# KiCad board virgo-keyboard-test.kicad_pcb
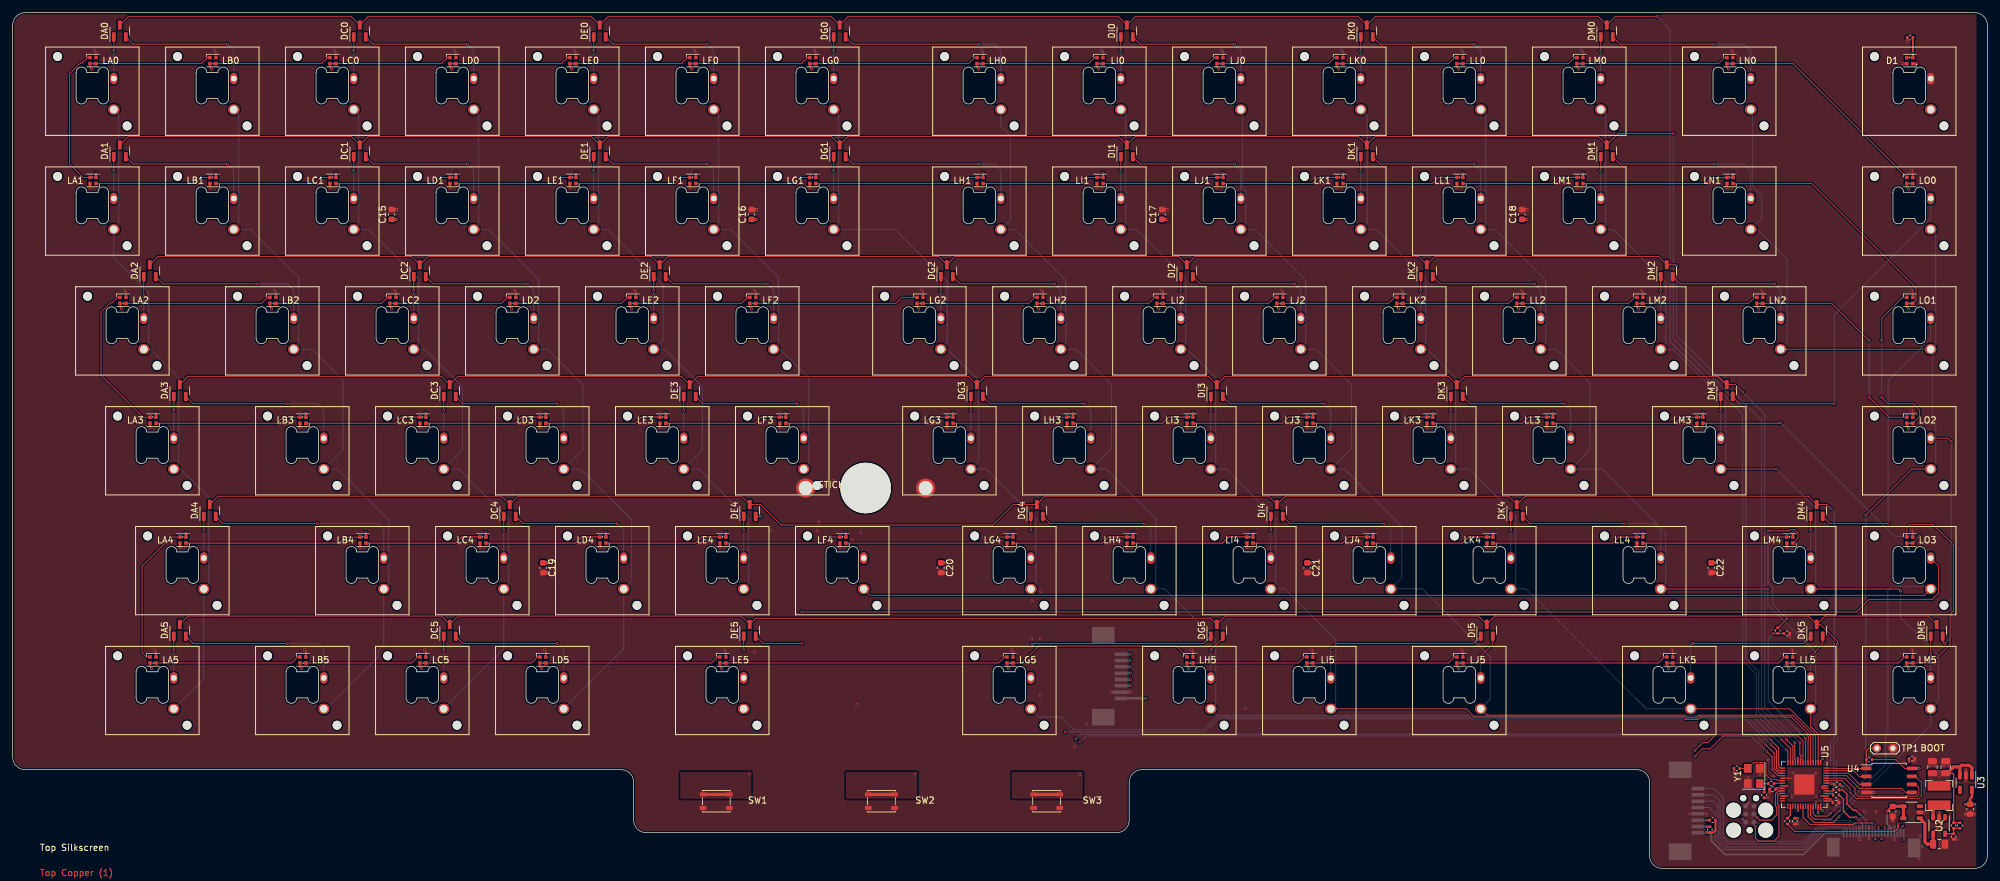
[diagram p0: board, top side]
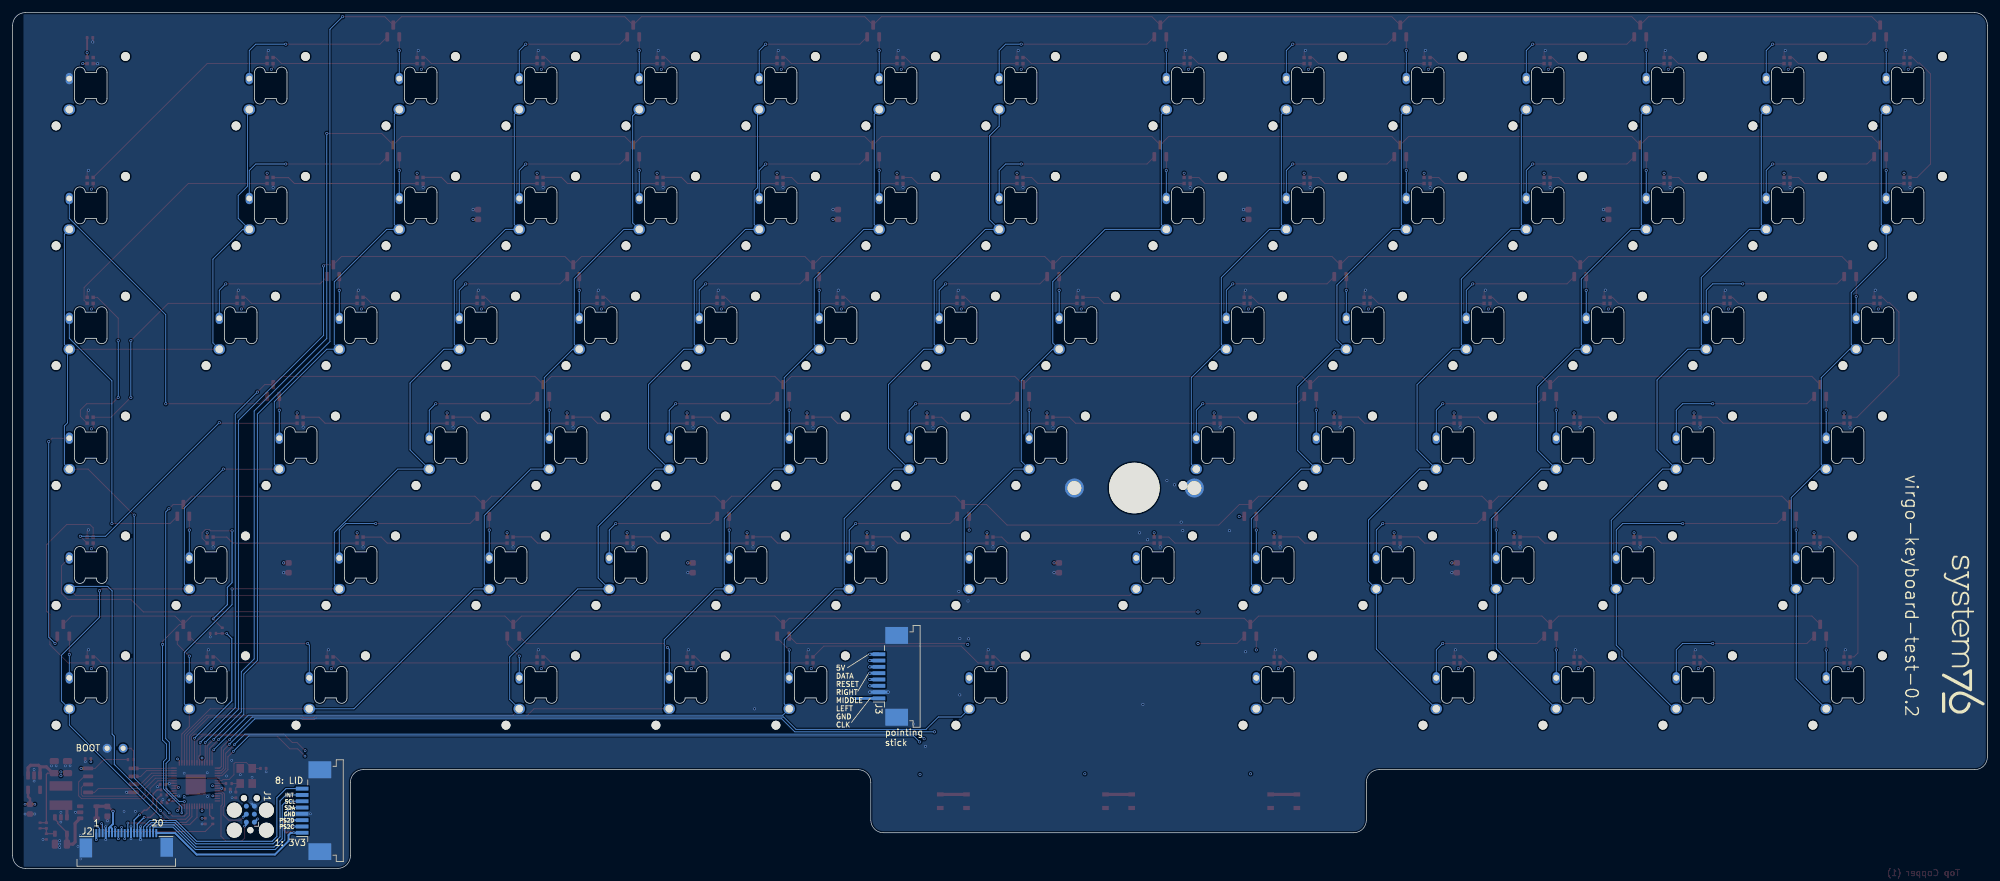
[diagram p1: board, bottom side, seen from below]

Outline 312.72 x 135.65 mm; copper layers: Top, In1.Cu (plane), In2.Cu (plane), Bottom. Coordinates in mm from the lower left corner of the outline.
Outline path: 0,133.65 arc(0.59,135.06) 2,135.65 310.72,135.65 arc(312.13,135.06) 312.72,133.65 312.72,2 arc(312.13,0.59) 310.72,0 261.23,0 arc(259.81,0.59) 259.23,2 259.23,13.65 arc(258.64,15.06) 257.23,15.65 178.82,15.65 arc(177.41,15.06) 176.82,13.65 176.82,7.65 arc(176.23,6.24) 174.82,5.65 100.35,5.65 arc(98.94,6.24) 98.35,7.65 98.35,13.65 arc(97.76,15.06) 96.35,15.65 2,15.65 arc(0.59,16.24) 0,17.65 0,133.65
Stack: Top 0.035mm / dielectric 0.1mm FR4 er 4.5 / In1.Cu 0.035mm / dielectric 0.44mm FR4 er 4.5 / In2.Cu 0.035mm / dielectric 0.1mm FR4 er 4.5 / Bottom 0.035mm

## Placement (name value [footprint] x y rotation side)
C1  1 uF  [C_0402_1005Metric]  300.78 17.39 0 top
C2  1 uF  [C_0402_1005Metric]  288.71 10.4 0 top
C3  1 uF  [C_0402_1005Metric]  282.23 7.49 270 top
C4  1 uF  [C_0402_1005Metric]  278.71 12.55 0 top
C5  1 uF  [C_0402_1005Metric]  288.91 13.3 180 top
C6  27 pF  [C_0402_1005Metric]  273.03 15.84 180 top
C7  27 pF  [C_0402_1005Metric]  277.38 11.64 270 top
C8  1 uF  [C_0402_1005Metric]  300.48 131.69 0 top
C9  2.2 uF  [C_0603_1608Metric]  297.73 9.04 270 top
C10  22 uF  [C_0805_2012Metric]  305.08 3.84 0 top
C11  330 pF  [C_0402_1005Metric]  307.38 6.79 270 top
C12  22 uF  [C_0805_2012Metric]  306.12 16.04 90 top
C13  22 uF  [C_0805_2012Metric]  304.03 16.04 90 top
C14  2.2 uF  [C_0603_1608Metric]  309.98 9.39 270 top
C15  2.2 uF  [C_0603_1608Metric]  60 103.65 90 top
C16  2.2 uF  [C_0603_1608Metric]  117 103.65 90 top
C17  2.2 uF  [C_0603_1608Metric]  182 103.65 90 top
C18  2.2 uF  [C_0603_1608Metric]  239 103.65 90 top
C19  2.2 uF  [C_0603_1608Metric]  84 47.65 270 top
C20  2.2 uF  [C_0603_1608Metric]  147 47.65 270 top
C21  2.2 uF  [C_0603_1608Metric]  205 47.65 270 top
C22  2.2 uF  [C_0603_1608Metric]  269 47.65 270 top
D1  SK6805-EC15  [LED_SK6805-EC15]  300.45 128.04 180 top
DA0  BAV70,215  [SOT-23]  16.98 132.74 90 top
DA1  BAV70,215  [SOT-23]  16.98 113.74 90 top
DA2  BAV70,215  [SOT-23]  21.73 94.74 90 top
DA3  BAV70,215  [SOT-23]  26.48 75.74 90 top
DA4  BAV70,215  [SOT-23]  31.23 56.74 90 top
DA5  BAV70,215  [SOT-23]  26.48 37.74 90 top
DC0  BAV70,215  [SOT-23]  54.98 132.74 90 top
DC1  BAV70,215  [SOT-23]  54.98 113.74 90 top
DC2  BAV70,215  [SOT-23]  64.47 94.74 90 top
DC3  BAV70,215  [SOT-23]  69.22 75.74 90 top
DC4  BAV70,215  [SOT-23]  78.72 56.74 90 top
DC5  BAV70,215  [SOT-23]  69.22 37.74 90 top
DE0  BAV70,215  [SOT-23]  92.97 132.74 90 top
DE1  BAV70,215  [SOT-23]  92.97 113.74 90 top
DE2  BAV70,215  [SOT-23]  102.47 94.74 90 top
DE3  BAV70,215  [SOT-23]  107.22 75.74 90 top
DE4  BAV70,215  [SOT-23]  116.72 56.74 90 top
DE5  BAV70,215  [SOT-23]  116.72 37.74 90 top
DG0  BAV70,215  [SOT-23]  130.97 132.74 90 top
DG1  BAV70,215  [SOT-23]  130.97 113.74 90 top
DG2  BAV70,215  [SOT-23]  147.94 94.74 90 top
DG3  BAV70,215  [SOT-23]  152.69 75.74 90 top
DG4  BAV70,215  [SOT-23]  162.19 56.74 90 top
DG5  BAV70,215  [SOT-23]  190.69 37.74 90 top
DI0  BAV70,215  [SOT-23]  176.44 132.74 90 top
DI1  BAV70,215  [SOT-23]  176.44 113.74 90 top
DI2  BAV70,215  [SOT-23]  185.94 94.74 90 top
DI3  BAV70,215  [SOT-23]  190.69 75.74 90 top
DI4  BAV70,215  [SOT-23]  200.19 56.74 90 top
DI5  BAV70,215  [SOT-23]  233.44 37.74 90 top
DK0  BAV70,215  [SOT-23]  214.44 132.74 90 top
DK1  BAV70,215  [SOT-23]  214.44 113.74 90 top
DK2  BAV70,215  [SOT-23]  223.94 94.74 90 top
DK3  BAV70,215  [SOT-23]  228.69 75.74 90 top
DK4  BAV70,215  [SOT-23]  238.19 56.74 90 top
DK5  BAV70,215  [SOT-23]  285.7 37.74 90 top
DM0  BAV70,215  [SOT-23]  252.45 132.74 90 top
DM1  BAV70,215  [SOT-23]  252.45 113.74 90 top
DM2  BAV70,215  [SOT-23]  261.95 94.74 90 top
DM3  BAV70,215  [SOT-23]  271.45 75.74 90 top
DM4  BAV70,215  [SOT-23]  285.7 56.74 90 top
DM5  BAV70,215  [SOT-23]  304.7 37.74 90 top
J1  Conn_ARM_SWD_TagConnect_TC2030  [Tag-Connect_TC2030-IDC-FP_2x03_P1.27mm_Vertical]  275.08 8.59 90 bottom
J2  -  [AFC07-S20FCC-00]  294.73 3.74 180 bottom
J3  F1004-H-08-20G-R  [TE_84952-8_1x08-1MP_P1.0mm_Horizontal]  173.72 30.44 90 bottom
J4  F1004-H-08-20G-R  [TE_84952-8_1x08-1MP_P1.0mm_Horizontal]  265.08 9.14 90 bottom
L1  SRN4018TA-2R2M  [L_Bourns-SRN4018]  305.08 11.54 90 top
LA0  SK6805-EC15  [LED_SK6805-EC15]  12.73 128.04 0 top
LA1  SK6805-EC15  [LED_SK6805-EC15]  12.73 109.04 180 top
LA2  SK6805-EC15  [LED_SK6805-EC15]  17.48 90.04 0 top
LA3  SK6805-EC15  [LED_SK6805-EC15]  22.23 71.04 180 top
LA4  SK6805-EC15  [LED_SK6805-EC15]  26.98 52.04 180 top
LA5  SK6805-EC15  [LED_SK6805-EC15]  22.23 33.04 0 top
LB0  SK6805-EC15  [LED_SK6805-EC15]  31.73 128.04 0 top
LB1  SK6805-EC15  [LED_SK6805-EC15]  31.73 109.04 180 top
LB2  SK6805-EC15  [LED_SK6805-EC15]  41.23 90.04 0 top
LB3  SK6805-EC15  [LED_SK6805-EC15]  45.98 71.04 180 top
LB4  SK6805-EC15  [LED_SK6805-EC15]  55.48 52.04 180 top
LB5  SK6805-EC15  [LED_SK6805-EC15]  45.98 33.04 0 top
LC0  SK6805-EC15  [LED_SK6805-EC15]  50.73 128.04 0 top
LC1  SK6805-EC15  [LED_SK6805-EC15]  50.73 109.04 180 top
LC2  SK6805-EC15  [LED_SK6805-EC15]  60.23 90.04 0 top
LC3  SK6805-EC15  [LED_SK6805-EC15]  64.97 71.04 180 top
LC4  SK6805-EC15  [LED_SK6805-EC15]  74.47 52.04 180 top
LC5  SK6805-EC15  [LED_SK6805-EC15]  64.97 33.04 0 top
LD0  SK6805-EC15  [LED_SK6805-EC15]  69.72 128.04 0 top
LD1  SK6805-EC15  [LED_SK6805-EC15]  69.72 109.04 180 top
LD2  SK6805-EC15  [LED_SK6805-EC15]  79.22 90.04 0 top
LD3  SK6805-EC15  [LED_SK6805-EC15]  83.97 71.04 180 top
LD4  SK6805-EC15  [LED_SK6805-EC15]  93.47 52.04 180 top
LD5  SK6805-EC15  [LED_SK6805-EC15]  83.97 33.04 0 top
LE0  SK6805-EC15  [LED_SK6805-EC15]  88.72 128.04 0 top
LE1  SK6805-EC15  [LED_SK6805-EC15]  88.72 109.04 180 top
LE2  SK6805-EC15  [LED_SK6805-EC15]  98.22 90.04 0 top
LE3  SK6805-EC15  [LED_SK6805-EC15]  102.97 71.04 180 top
LE4  SK6805-EC15  [LED_SK6805-EC15]  112.47 52.04 180 top
LE5  SK6805-EC15  [LED_SK6805-EC15]  112.47 33.04 0 top
LF0  SK6805-EC15  [LED_SK6805-EC15]  107.72 128.04 0 top
LF1  SK6805-EC15  [LED_SK6805-EC15]  107.72 109.04 180 top
LF2  SK6805-EC15  [LED_SK6805-EC15]  117.22 90.04 0 top
LF3  SK6805-EC15  [LED_SK6805-EC15]  121.97 71.04 180 top
LF4  SK6805-EC15  [LED_SK6805-EC15]  131.47 52.04 180 top
LG0  SK6805-EC15  [LED_SK6805-EC15]  126.72 128.04 0 top
LG1  SK6805-EC15  [LED_SK6805-EC15]  126.72 109.04 180 top
LG2  SK6805-EC15  [LED_SK6805-EC15]  143.69 90.04 0 top
LG3  SK6805-EC15  [LED_SK6805-EC15]  148.44 71.04 180 top
LG4  SK6805-EC15  [LED_SK6805-EC15]  157.94 52.04 180 top
LG5  SK6805-EC15  [LED_SK6805-EC15]  157.94 33.04 0 top
LH0  SK6805-EC15  [LED_SK6805-EC15]  153.19 128.04 0 top
LH1  SK6805-EC15  [LED_SK6805-EC15]  153.19 109.04 180 top
LH2  SK6805-EC15  [LED_SK6805-EC15]  162.69 90.04 0 top
LH3  SK6805-EC15  [LED_SK6805-EC15]  167.44 71.04 180 top
LH4  SK6805-EC15  [LED_SK6805-EC15]  176.94 52.04 180 top
LH5  SK6805-EC15  [LED_SK6805-EC15]  186.44 33.04 0 top
LI0  SK6805-EC15  [LED_SK6805-EC15]  172.19 128.04 0 top
LI1  SK6805-EC15  [LED_SK6805-EC15]  172.19 109.04 180 top
LI2  SK6805-EC15  [LED_SK6805-EC15]  181.69 90.04 0 top
LI3  SK6805-EC15  [LED_SK6805-EC15]  186.44 71.04 180 top
LI4  SK6805-EC15  [LED_SK6805-EC15]  195.94 52.04 180 top
LI5  SK6805-EC15  [LED_SK6805-EC15]  205.44 33.04 0 top
LJ0  SK6805-EC15  [LED_SK6805-EC15]  191.19 128.04 0 top
LJ1  SK6805-EC15  [LED_SK6805-EC15]  191.19 109.04 180 top
LJ2  SK6805-EC15  [LED_SK6805-EC15]  200.69 90.04 0 top
LJ3  SK6805-EC15  [LED_SK6805-EC15]  205.44 71.04 180 top
LJ4  SK6805-EC15  [LED_SK6805-EC15]  214.94 52.04 180 top
LJ5  SK6805-EC15  [LED_SK6805-EC15]  229.19 33.04 0 top
LK0  SK6805-EC15  [LED_SK6805-EC15]  210.19 128.04 0 top
LK1  SK6805-EC15  [LED_SK6805-EC15]  210.19 109.04 180 top
LK2  SK6805-EC15  [LED_SK6805-EC15]  219.69 90.04 0 top
LK3  SK6805-EC15  [LED_SK6805-EC15]  224.44 71.04 180 top
LK4  SK6805-EC15  [LED_SK6805-EC15]  233.94 52.04 180 top
LK5  SK6805-EC15  [LED_SK6805-EC15]  262.45 33.04 0 top
LL0  SK6805-EC15  [LED_SK6805-EC15]  229.19 128.04 0 top
LL1  SK6805-EC15  [LED_SK6805-EC15]  229.19 109.04 180 top
LL2  SK6805-EC15  [LED_SK6805-EC15]  238.69 90.04 0 top
LL3  SK6805-EC15  [LED_SK6805-EC15]  243.45 71.04 180 top
LL4  SK6805-EC15  [LED_SK6805-EC15]  257.7 52.04 180 top
LL5  SK6805-EC15  [LED_SK6805-EC15]  281.45 33.04 0 top
LM0  SK6805-EC15  [LED_SK6805-EC15]  248.2 128.04 0 top
LM1  SK6805-EC15  [LED_SK6805-EC15]  248.2 109.04 180 top
LM2  SK6805-EC15  [LED_SK6805-EC15]  257.7 90.04 0 top
LM3  SK6805-EC15  [LED_SK6805-EC15]  267.2 71.04 180 top
LM4  SK6805-EC15  [LED_SK6805-EC15]  281.45 52.04 180 top
LM5  SK6805-EC15  [LED_SK6805-EC15]  300.45 33.04 0 top
LN0  SK6805-EC15  [LED_SK6805-EC15]  271.95 128.04 0 top
LN1  SK6805-EC15  [LED_SK6805-EC15]  271.95 109.04 180 top
LN2  SK6805-EC15  [LED_SK6805-EC15]  276.7 90.04 0 top
LO0  SK6805-EC15  [LED_SK6805-EC15]  300.45 109.04 0 top
LO1  SK6805-EC15  [LED_SK6805-EC15]  300.45 90.04 0 top
LO2  SK6805-EC15  [LED_SK6805-EC15]  300.45 71.04 0 top
LO3  SK6805-EC15  [LED_SK6805-EC15]  300.45 52.04 0 top
LOGO1  System76Logo  [System76]  3.81 37.05 270 bottom
R1  52.3 k  [R_0402_1005Metric]  308.38 6.79 270 top
R2  10 k  [R_0402_1005Metric]  307.38 5.04 270 top
R3  1 k  [R_0402_1005Metric]  278.48 13.45 180 top
R4  5.1 k  [R_0402_1005Metric]  294.01 17.25 180 top
R5  27  [R_0402_1005Metric]  288.76 12.45 180 top
R6  27  [R_0402_1005Metric]  288.76 11.65 180 top
R7  1 M  [R_0402_1005Metric]  281.03 7.49 270 top
R8  5.1 k  [R_0402_1005Metric]  268.78 6.14 90 top
R9  5.1 k  [R_0402_1005Metric]  269.23 7.64 180 top
R10  10 k  [R_0402_1005Metric]  280.98 37.24 0 top
R27  1 k  [R_0402_1005Metric]  279.53 37.69 270 top
STICK1  PointingStick  [SK8708-08]  135.09 60.29 0 top
SW1  SKRPACE010  [SW_SPST_PTS810]  111.43 10.65 180 top
SW2  SKRPACE010  [SW_SPST_PTS810]  137.59 10.65 180 top
SW3  SKRPACE010  [SW_SPST_PTS810]  163.74 10.65 180 top
SWA0  CPG142501D02  [Kailh-PG1425-X-Switch]  9.23 120.29 180 top
SWA1  CPG142501D02  [Kailh-PG1425-X-Switch]  9.23 101.29 180 top
SWA2  CPG142501D02  [Kailh-PG1425-X-Switch]  13.98 82.29 180 top
SWA3  CPG142501D02  [Kailh-PG1425-X-Switch]  18.73 63.29 180 top
SWA4  CPG142501D02  [Kailh-PG1425-X-Switch]  23.48 44.29 180 top
SWA5  CPG142501D02  [Kailh-PG1425-X-Switch]  18.73 25.29 180 top
SWB0  CPG142501D02  [Kailh-PG1425-X-Switch]  28.23 120.29 180 top
SWB1  CPG142501D02  [Kailh-PG1425-X-Switch]  28.23 101.29 180 top
SWB2  CPG142501D02  [Kailh-PG1425-X-Switch]  37.73 82.29 180 top
SWB3  CPG142501D02  [Kailh-PG1425-X-Switch]  42.48 63.29 180 top
SWB4  CPG142501D02  [Kailh-PG1425-X-Switch]  51.98 44.29 180 top
SWB5  CPG142501D02  [Kailh-PG1425-X-Switch]  42.48 25.29 180 top
SWC0  CPG142501D02  [Kailh-PG1425-X-Switch]  47.23 120.29 180 top
SWC1  CPG142501D02  [Kailh-PG1425-X-Switch]  47.23 101.29 180 top
SWC2  CPG142501D02  [Kailh-PG1425-X-Switch]  56.73 82.29 180 top
SWC3  CPG142501D02  [Kailh-PG1425-X-Switch]  61.48 63.29 180 top
SWC4  CPG142501D02  [Kailh-PG1425-X-Switch]  70.97 44.29 180 top
SWC5  CPG142501D02  [Kailh-PG1425-X-Switch]  61.48 25.29 180 top
SWD0  CPG142501D02  [Kailh-PG1425-X-Switch]  66.22 120.29 180 top
SWD1  CPG142501D02  [Kailh-PG1425-X-Switch]  66.22 101.29 180 top
SWD2  CPG142501D02  [Kailh-PG1425-X-Switch]  75.72 82.29 180 top
SWD3  CPG142501D02  [Kailh-PG1425-X-Switch]  80.47 63.29 180 top
SWD4  CPG142501D02  [Kailh-PG1425-X-Switch]  89.97 44.29 180 top
SWD5  CPG142501D02  [Kailh-PG1425-X-Switch]  80.47 25.29 180 top
SWE0  CPG142501D02  [Kailh-PG1425-X-Switch]  85.22 120.29 180 top
SWE1  CPG142501D02  [Kailh-PG1425-X-Switch]  85.22 101.29 180 top
SWE2  CPG142501D02  [Kailh-PG1425-X-Switch]  94.72 82.29 180 top
SWE3  CPG142501D02  [Kailh-PG1425-X-Switch]  99.47 63.29 180 top
SWE4  CPG142501D02  [Kailh-PG1425-X-Switch]  108.97 44.29 180 top
SWE5  CPG142501D02  [Kailh-PG1425-X-Switch]  108.97 25.29 180 top
SWF0  CPG142501D02  [Kailh-PG1425-X-Switch]  104.22 120.29 180 top
SWF1  CPG142501D02  [Kailh-PG1425-X-Switch]  104.22 101.29 180 top
SWF2  CPG142501D02  [Kailh-PG1425-X-Switch]  113.72 82.29 180 top
SWF3  CPG142501D02  [Kailh-PG1425-X-Switch]  118.47 63.29 180 top
SWF4  CPG142501D02  [Kailh-PG1425-X-Switch]  127.97 44.29 180 top
SWF5  CPG142501D02  [Kailh-PG1425-X-Switch]  296.95 44.29 180 top
SWG0  CPG142501D02  [Kailh-PG1425-X-Switch]  123.22 120.29 180 top
SWG1  CPG142501D02  [Kailh-PG1425-X-Switch]  123.22 101.29 180 top
SWG2  CPG142501D02  [Kailh-PG1425-X-Switch]  140.19 82.29 180 top
SWG3  CPG142501D02  [Kailh-PG1425-X-Switch]  144.94 63.29 180 top
SWG4  CPG142501D02  [Kailh-PG1425-X-Switch]  154.44 44.29 180 top
SWG5  CPG142501D02  [Kailh-PG1425-X-Switch]  154.44 25.29 180 top
SWH0  CPG142501D02  [Kailh-PG1425-X-Switch]  149.69 120.29 180 top
SWH1  CPG142501D02  [Kailh-PG1425-X-Switch]  149.69 101.29 180 top
SWH2  CPG142501D02  [Kailh-PG1425-X-Switch]  159.19 82.29 180 top
SWH3  CPG142501D02  [Kailh-PG1425-X-Switch]  163.94 63.29 180 top
SWH4  CPG142501D02  [Kailh-PG1425-X-Switch]  173.44 44.29 180 top
SWH5  CPG142501D02  [Kailh-PG1425-X-Switch]  182.94 25.29 180 top
SWI0  CPG142501D02  [Kailh-PG1425-X-Switch]  168.69 120.29 180 top
SWI1  CPG142501D02  [Kailh-PG1425-X-Switch]  168.69 101.29 180 top
SWI2  CPG142501D02  [Kailh-PG1425-X-Switch]  178.19 82.29 180 top
SWI3  CPG142501D02  [Kailh-PG1425-X-Switch]  182.94 63.29 180 top
SWI4  CPG142501D02  [Kailh-PG1425-X-Switch]  192.44 44.29 180 top
SWI5  CPG142501D02  [Kailh-PG1425-X-Switch]  201.94 25.29 180 top
SWJ0  CPG142501D02  [Kailh-PG1425-X-Switch]  187.69 120.29 180 top
SWJ1  CPG142501D02  [Kailh-PG1425-X-Switch]  187.69 101.29 180 top
SWJ2  CPG142501D02  [Kailh-PG1425-X-Switch]  197.19 82.29 180 top
SWJ3  CPG142501D02  [Kailh-PG1425-X-Switch]  201.94 63.29 180 top
SWJ4  CPG142501D02  [Kailh-PG1425-X-Switch]  211.44 44.29 180 top
SWJ5  CPG142501D02  [Kailh-PG1425-X-Switch]  225.69 25.29 180 top
SWK0  CPG142501D02  [Kailh-PG1425-X-Switch]  206.69 120.29 180 top
SWK1  CPG142501D02  [Kailh-PG1425-X-Switch]  206.69 101.29 180 top
SWK2  CPG142501D02  [Kailh-PG1425-X-Switch]  216.19 82.29 180 top
SWK3  CPG142501D02  [Kailh-PG1425-X-Switch]  220.94 63.29 180 top
SWK4  CPG142501D02  [Kailh-PG1425-X-Switch]  230.44 44.29 180 top
SWK5  CPG142501D02  [Kailh-PG1425-X-Switch]  258.95 25.29 180 top
SWL0  CPG142501D02  [Kailh-PG1425-X-Switch]  225.69 120.29 180 top
SWL1  CPG142501D02  [Kailh-PG1425-X-Switch]  225.69 101.29 180 top
SWL2  CPG142501D02  [Kailh-PG1425-X-Switch]  235.19 82.29 180 top
SWL3  CPG142501D02  [Kailh-PG1425-X-Switch]  239.95 63.29 180 top
SWL4  CPG142501D02  [Kailh-PG1425-X-Switch]  254.2 44.29 180 top
SWL5  CPG142501D02  [Kailh-PG1425-X-Switch]  277.95 25.29 180 top
SWM0  CPG142501D02  [Kailh-PG1425-X-Switch]  244.7 120.29 180 top
SWM1  CPG142501D02  [Kailh-PG1425-X-Switch]  244.7 101.29 180 top
SWM2  CPG142501D02  [Kailh-PG1425-X-Switch]  254.2 82.29 180 top
SWM3  CPG142501D02  [Kailh-PG1425-X-Switch]  263.7 63.29 180 top
SWM4  CPG142501D02  [Kailh-PG1425-X-Switch]  277.95 44.29 180 top
SWM5  CPG142501D02  [Kailh-PG1425-X-Switch]  296.95 25.29 180 top
SWN0  CPG142501D02  [Kailh-PG1425-X-Switch]  268.45 120.29 180 top
SWN1  CPG142501D02  [Kailh-PG1425-X-Switch]  268.45 101.29 180 top
SWN2  CPG142501D02  [Kailh-PG1425-X-Switch]  273.2 82.29 180 top
SWN3  CPG142501D02  [Kailh-PG1425-X-Switch]  296.95 101.29 180 top
SWN4  CPG142501D02  [Kailh-PG1425-X-Switch]  296.95 82.29 180 top
SWN5  CPG142501D02  [Kailh-PG1425-X-Switch]  296.95 63.29 180 top
SWPWR1  CPG142501D02  [Kailh-PG1425-X-Switch]  296.95 120.29 180 top
TP1  TestPoint_2Pole  [TestPoint_2Pads_Pitch2.54mm_Drill0.8mm]  297.77 19.04 180 top
U1  AP22811AW5-7‎  [SOT-23-5#2]  300.73 8.89 180 top
U2  MT3410LB  [SOT-23-5#2]  305.08 6.79 270 top
U3  LP5907MFX-3.3  [SOT-23-5]  309.33 13.59 270 top
U4  W25Q16JVSSIQ  [SOIC-8_5.23x5.23mm_P1.27mm]  297.16 13.94 0 top
U5  RP2040  [QFN-56-1EP_7x7mm_P0.4mm_EP3.2x3.2mm]  283.73 13.29 270 top
Y1  RH100-12.000-18-2030-TR  [Oscillator_SMD_SeikoEpson_SG8002CE-4Pin_3.2x2.5mm]  275.73 14.65 90 top

## Library data of the parts
C1-C3 = -: Description: Unpolarized capacitor; Manufacturer: Generic X7R capacitor
C4 C5 C8-C10 C12-C22 = -: Description: Unpolarized capacitor; Manufacturer: Generic X5R capacitor
C6 C7 C11 = -: Description: Unpolarized capacitor; Manufacturer: Generic NP0 capacitor
D1 LA0-LA5 LB0-LB5 LC0-LC5 LD0-LD5 LE0-LE5 LF0-LF4 LG0-LG5 LH0-LH5 LI0-LI5 LJ0-LJ5 LK0-LK5 LL0-LL5 LM0-LM5 LN0-LN2 LO0-LO3 = -: Description: RGB LED with integrated controller
DA0-DA5 DC0-DC5 DE0-DE5 DG0-DG5 DI0-DI5 DK0-DK5 DM0-DM5 = -: Description: Dual diode, common cathode on pin 3; Manufacturer: Nexperia
J1 = -: Description: Tag-Connect ARM Cortex SWD JTAG connector, 6 pin
J2 = -: Description: Generic connectable mounting pin connector, single row, 01x20, script generated (kicad-library-utils/schlib/autogen/connector/); Manufacturer: Jushou
J3 J4 = -: Description: Generic connectable mounting pin connector, single row, 01x08, script generated (kicad-library-utils/schlib/autogen/connector/); Manufacturer: XFCN
L1 = -: Description: Inductor; Manufacturer: Bourns
LOGO1 = -: Description: Mounting Hole without connection
R1-R10 R27 = -: Description: Resistor; Manufacturer: Generic 1% resistor
STICK1 = -: Description: Mounting Hole with connection
SW1-SW3 = -: Description: Push button switch, generic, two pins; Manufacturer: Alps (generic equivalent OK)
SWA0-SWA5 SWB0-SWB5 SWC0-SWC5 SWD0-SWD5 SWE0-SWE5 SWF0-SWF5 SWG0-SWG5 SWH0-SWH5 SWI0-SWI5 SWJ0-SWJ5 SWK0-SWK5 SWL0-SWL5 SWM0-SWM5 SWN0-SWN5 SWPWR1 = -: Description: Push button switch, generic, two pins; Manufacturer: Kailh
TP1 = -: Description: 2-polar test point
U1 = -: Description: USB power switch, active high enable, 2A; Manufacturer: Diodes Inc.
U2 = -: Description: buck regulator; Manufacturer: Aerosemi
U3 = -: Description: 250-mA Ultra-Low-Noise Low-IQ LDO, 3.3V, SOT-23; Manufacturer: Texas Instruments
U4 = -: Description: SPI flash, SO-8W, 16 Mb, 3.3 V; Manufacturer: Winbond
U5 = -: Description: A microcontroller by Raspberry Pi; Manufacturer: Raspberry Pi
Y1 = -: Description: Four pin crystal, GND on pins 2 and 4; Manufacturer: Raltron

## Footprints (pads in the part's own frame, mm; a bottom-side part is the same pattern mirrored in y, then rotated)
AFC07-S20FCC-00
  rect 0.3x1.3 smd: 1(-4.75,1.85) 2(-4.25,1.85) 3(-3.75,1.85) 4(-3.25,1.85) 5(-2.75,1.85) 6(-2.25,1.85) 7(-1.75,1.85) 8(-1.25,1.85) 9(-0.75,1.85) 10(-0.25,1.85) 11(0.25,1.85) 12(0.75,1.85) 13(1.25,1.85) 14(1.75,1.85) 15(2.25,1.85) 16(2.75,1.85) 17(3.25,1.85) 18(3.75,1.85) 19(4.25,1.85) 20(4.75,1.85)
  rect 2x3 smd: MP(-6.4,-0.5) MP(6.4,-0.4)
C_0402_1005Metric
  rrect 0.45x0.5 smd: 1(-0.45,0) 2(0.45,0)
C_0603_1608Metric
  rrect 0.9x0.95 smd: 1(-0.775,0) 2(0.775,0)
C_0805_2012Metric
  rrect 1x1.45 smd: 1(-0.95,0) 2(0.95,0)
Kailh-PG1425-X-Switch
  round 1.4 hole 1.4 unplated: (-8.9,2.6) (2.1,-8.4)
  oval 1.8x1.6 hole 1.2: 1(-6.8,0)
  oval 1.15x1.8 hole 0.9: 2(-6.8,-4.9)
L_Bourns-SRN4018
  rect 1.5x3.6 smd: 1(-1.525,0) 2(1.525,0)
LED_SK6805-EC15
  rect 0.55x0.55 smd: 1(-0.475,0.475) 2(-0.475,-0.475) 3(0.475,-0.475) 4(0.475,0.475)
Oscillator_SMD_SeikoEpson_SG8002CE-4Pin_3.2x2.5mm
  rect 1.4x1.2 smd: 1(-1.2,-0.95) 2(1.2,-0.95) 3(1.2,0.95) 4(-1.2,0.95)
QFN-56-1EP_7x7mm_P0.4mm_EP3.2x3.2mm
  rrect 1.29x1.29 smd: (-0.8,0.8) (-0.8,-0.8) (0.8,0.8) (0.8,-0.8)
  rrect 0.875x0.2 smd: 1(-3.438,2.6) 2(-3.438,2.2) 3(-3.438,1.8) 4(-3.438,1.4) 5(-3.438,1) 6(-3.438,0.6) 7(-3.438,0.2) 8(-3.438,-0.2) 9(-3.438,-0.6) 10(-3.438,-1) 11(-3.438,-1.4) 12(-3.438,-1.8) 13(-3.438,-2.2) 14(-3.438,-2.6) 29(3.438,-2.6) 30(3.438,-2.2) 31(3.438,-1.8) 32(3.438,-1.4) 33(3.438,-1) 34(3.438,-0.6) 35(3.438,-0.2) 36(3.438,0.2) 37(3.438,0.6) 38(3.438,1) 39(3.438,1.4) 40(3.438,1.8) 41(3.438,2.2) 42(3.438,2.6)
  rrect 0.2x0.875 smd: 15(-2.6,-3.438) 16(-2.2,-3.438) 17(-1.8,-3.438) 18(-1.4,-3.438) 19(-1,-3.438) 20(-0.6,-3.438) 21(-0.2,-3.438) 22(0.2,-3.438) 23(0.6,-3.438) 24(1,-3.438) 25(1.4,-3.438) 26(1.8,-3.438) 27(2.2,-3.438) 28(2.6,-3.438) 43(2.6,3.438) 44(2.2,3.438) 45(1.8,3.438) 46(1.4,3.438) 47(1,3.438) 48(0.6,3.438) 49(0.2,3.438) 50(-0.2,3.438) 51(-0.6,3.438) 52(-1,3.438) 53(-1.4,3.438) 54(-1.8,3.438) 55(-2.2,3.438) 56(-2.6,3.438)
  rect 3.2x3.2 smd: 57(0,0)
R_0402_1005Metric
  rrect 0.4x0.5 smd: 1(-0.45,0) 2(0.45,0)
SK8708-08
  round 8 hole 8 unplated: (0,0)
  round 3 hole 2.2: 1(-9.5,0) 1(9.5,0)
SOIC-8_5.23x5.23mm_P1.27mm
  rrect 1.6x0.6 smd: 1(-3.6,1.905) 2(-3.6,0.635) 3(-3.6,-0.635) 4(-3.6,-1.905) 5(3.6,-1.905) 6(3.6,-0.635) 7(3.6,0.635) 8(3.6,1.905)
SOT-23
  rrect 1.475x0.6 smd: 1(-0.938,0.95) 2(-0.938,-0.95) 3(0.938,0)
SOT-23-5
  rrect 1.325x0.6 smd: 1(-1.137,0.95) 2(-1.137,0) 3(-1.137,-0.95) 4(1.137,-0.95) 5(1.137,0.95)
SOT-23-5#2
  rrect 1x0.6 smd: 1(-1.3,0.95) 2(-1.3,0) 3(-1.3,-0.95) 4(1.3,-0.95) 5(1.3,0.95)
SW_SPST_PTS810
  rect 1.05x0.65 smd: 1(-2.075,1.075) 1(2.075,1.075) 2(-2.075,-1.075) 2(2.075,-1.075)
Tag-Connect_TC2030-IDC-FP_2x03_P1.27mm_Vertical
  round 2.375 hole 2.375 unplated: (-2.54,-2.54) (-2.54,2.54) (0.635,-2.54) (0.635,2.54)
  round 0.991 hole 0.991 unplated: (-2.54,0) (2.54,-1.016) (2.54,1.016)
  round 0.787 smd: 1(-1.27,-0.635) 2(-1.27,0.635) 3(0,-0.635) 4(0,0.635) 5(1.27,-0.635) 6(1.27,0.635)
TE_84952-8_1x08-1MP_P1.0mm_Horizontal
  rect 0.61x2 smd: 1(-3.5,1.8) 2(-2.5,1.8) 3(-1.5,1.8) 4(-0.5,1.8) 5(0.5,1.8) 6(1.5,1.8) 7(2.5,1.8) 8(3.5,1.8)
  rect 2.68x3.6 smd: MP(-6.49,-1) MP(6.49,-1)
TestPoint_2Pads_Pitch2.54mm_Drill0.8mm
  round 1.4 hole 0.8: 1(0,0) 2(2.54,0)
